# Altium PCB FMC_ADC_128CH_10B.PcbDoc (part 11 of 14)
Units mm, origin at the board's own origin, x right, y up, seen from the top; angles counter-clockwise.
Board outline 76.5 x 69 mm, 8 copper layers (Top Layer, Int1 (Sign), Int2 (GND), Int3 (Sign), Int4 (Sign), Int5 (GND), Int6 (Sign), Bottom Layer), stack 1.433 mm thick; 815 components, 661 nets, 3772 pads, 2072 vias.
Unrouted connection lines stored in the file: 135.
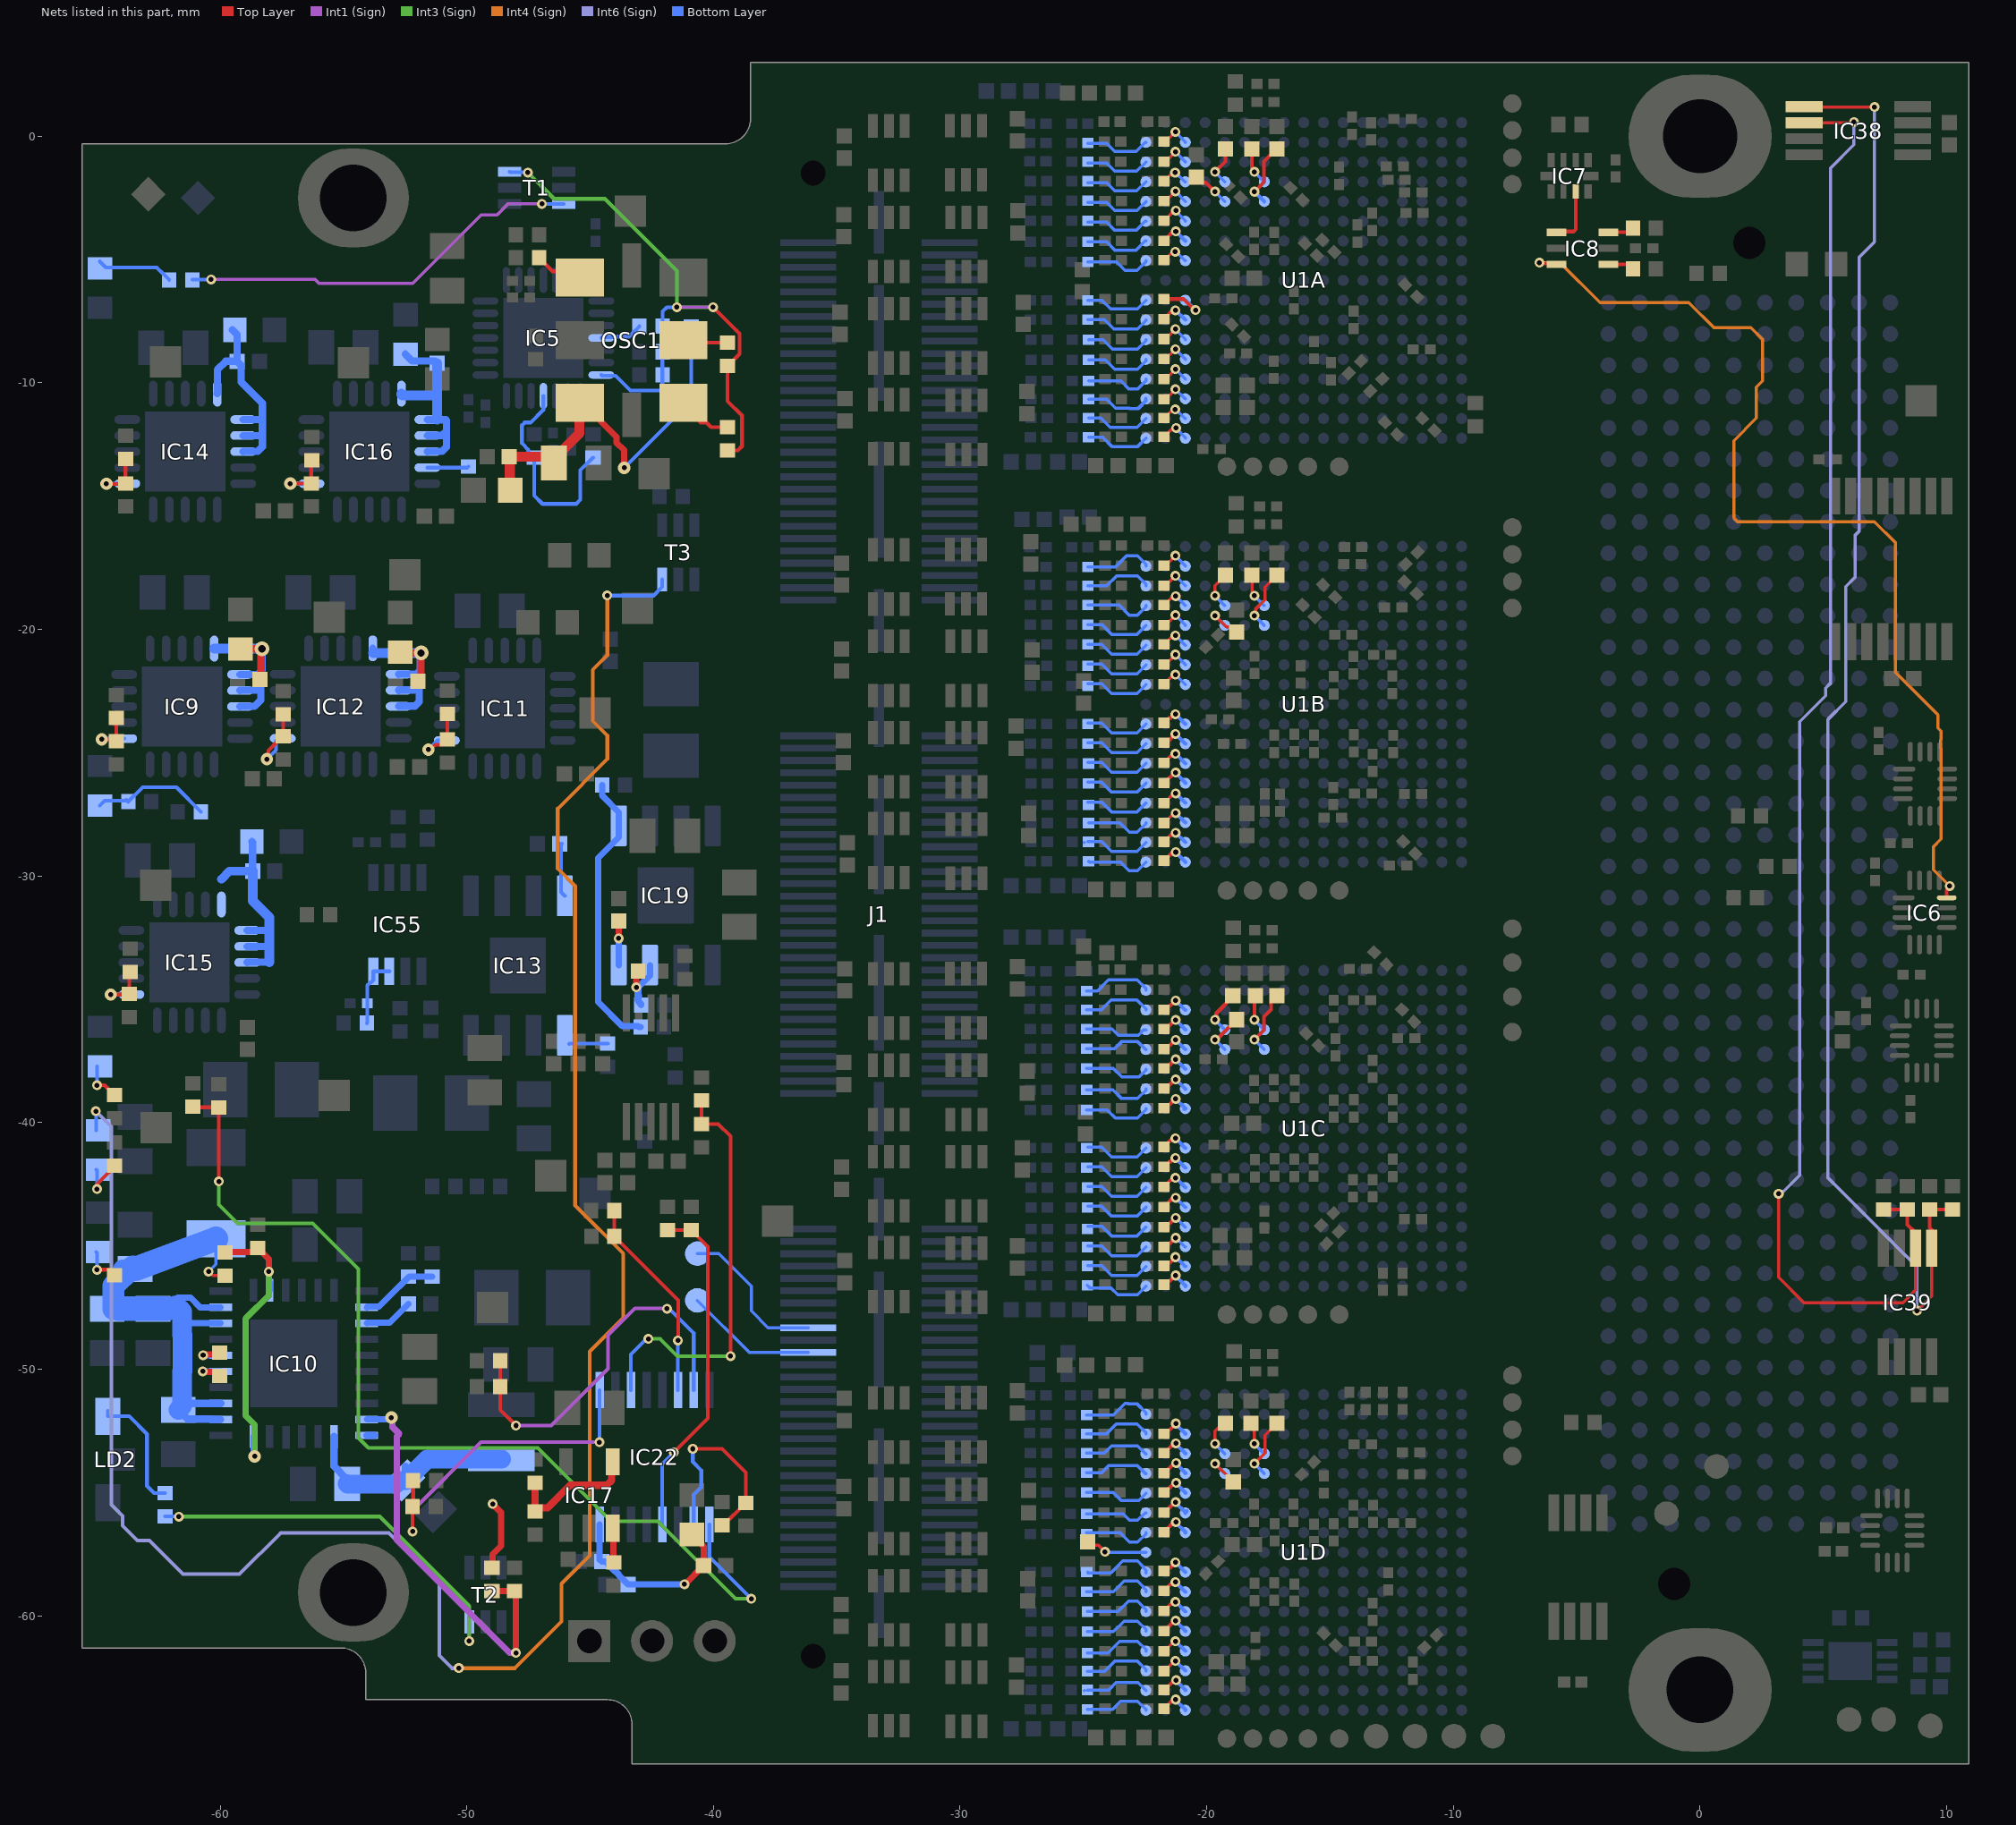
[diagram p17: the nets of this part, all layers, seen from the top]

## Via types
v1: diameter 0.4, hole 0.2, Top Layer to Bottom Layer, tented both sides, 1806 vias
v2: diameter 0.5, hole 0.2, Top Layer to Bottom Layer, tented both sides, 181 vias
v3: diameter 0.6, hole 0.3, Top Layer to Bottom Layer, tented both sides, 81 vias
v4: diameter 0.5, hole 0.3, Top Layer to Bottom Layer, tented both sides, 3 vias
v5: diameter 0.6, hole 0.2, Top Layer to Bottom Layer, tented both sides, 1 vias

## Nets (pads, with @x,y where several pads share a name; then routed paths per layer and width w, separated by ;. In a path a pad name is that pad's centre, name@x,y a point inside that pad or via, vN(x,y) a via of type N, cw(c..) or ccw(c..) an arc to the next point about the centre after c; other vN are vias at no path point) (continued)
NetC14D_2: C14D.2 U1D.A9 | length 2.5
  Top Layer w0.127: C14D.2@-24.833,-56.994 -24.701,-57.127 -24.399,-57.127 v1(-24.123,-57.403)
  Bottom Layer w0.127: v1@-24.066,-57.425 U1D.A9@-22.467,-57.425
NetC15A_2: C15A.2 U1A.G4 | length 1.5
  Top Layer w0.152: C15A.2@-18.167,-0.509 -18.167,-1.278 -18.067,-1.378 v1(-18.067,-1.445)
  Bottom Layer w0.127: v1(-18.067,-1.445) U1A.G4@-17.667,-1.845
NetC15B_2: C15B.2 U1B.G4 | length 1.4
  Top Layer w0.127: C15B.2@-18.167,-17.797 -18.167,-18.46 -18.067,-18.56 v1(-18.067,-18.634)
  Bottom Layer w0.127: v1(-18.067,-18.634) U1B.G4@-17.667,-19.034
NetC15C_2: C15C.2 U1C.G4 | length 1.6
  Top Layer w0.127: C15C.2@-18.067,-34.895 C15C.2@-18.019,-34.847
  Top Layer w0.152: v1(-18.067,-35.83) C15C.2@-18.067,-34.895
  Bottom Layer w0.127: v1(-18.067,-35.83) U1C.G4@-17.667,-36.23
NetC15D_2: C15D.2 U1D.G4 | length 1.5
  Top Layer w0.127: C15D.2@-18.203,-52.189 -18.067,-52.324 v1(-18.067,-53.025)
  Bottom Layer w0.127: v1(-18.067,-53.025) U1D.G4@-17.667,-53.425
NetC19_2: C19.2 C20.2 L4.2 OSC1.6 R15.2 | length 15.4
  Top Layer w0.254: OSC1.6@-45.414,-10.906 -45.214,-10.906 -44.566,-11.554 -43.926,-12.194 -43.926,-12.424 -43.627,-12.723 -43.627,-12.893 -43.62,-12.9 v2(-43.62,-13.444)
  Top Layer w0.4: L4.2@-48.234,-14.354 -48.255,-14.333 -48.255,-13.019 C19.2@-48.276,-12.998 -46.712,-12.998 C20.2@-46.461,-13.249 -46.461,-13.074 -45.853,-12.466 -45.434,-12.047 -45.434,-10.927 OSC1.6@-45.414,-10.906
  Bottom Layer w0.152: v2(-43.62,-13.444) -40.9,-10.724 R15.2@-40.9,-8.648
NetC33A_2: C33A.2 U1A.G5 | length 2.6
  Top Layer w0.152: v1(-18.066,-2.247) -17.833,-2.014 -17.681,-1.862 -17.681,-1.027 -17.246,-0.592 C33A.2@-17.163,-0.592
  Bottom Layer w0.152: v1(-18.066,-2.247) U1A.G5@-17.667,-2.645
NetC33B_2: C33B.2 U1B.G5 | length 2.6
  Top Layer w0.127: v1(-18.067,-19.434) -18.025,-19.392 -18.025,-19.178 -17.641,-18.794 -17.641,-18.275 C33B.2@-17.163,-17.797
  Bottom Layer w0.127: v1(-18.067,-19.434) U1B.G5@-17.667,-19.834
NetC33C_2: C33C.2 U1C.G5 | length 2.7
  Top Layer w0.152: v1(-18.067,-36.63) -17.681,-36.243 -17.681,-35.697 -17.397,-35.413 -17.397,-35.081 C33C.2@-17.163,-34.847
  Bottom Layer w0.127: v1(-18.067,-36.63) U1C.G5@-17.667,-37.03
NetC33D_2: C33D.2 U1D.G5 | length 2.6
  Top Layer w0.127: v1(-18.067,-53.825) -17.641,-53.399 -17.641,-52.667 C33D.2@-17.163,-52.189
  Bottom Layer w0.127: v1(-18.067,-53.825) U1D.G5@-17.667,-54.225
NetC34A_2: C34A.2 U1A.E4 | length 1.7
  Top Layer w0.152: v1(-19.667,-1.445) -19.242,-1.02 C34A.2@-19.242,-0.509
  Bottom Layer w0.127: v1(-19.667,-1.445) U1A.E4@-19.267,-1.845
NetC34B_2: C34B.2 U1B.E4 | length 1.6
  Top Layer w0.127: v1(-19.667,-18.634) -19.667,-18.222 C34B.2@-19.242,-17.797
  Bottom Layer w0.127: v1(-19.667,-18.634) U1B.E4@-19.267,-19.034
NetC34C_2: C34C.2 U1C.E4 | length 1.8
  Top Layer w0.152: v1(-19.667,-35.83) -19.615,-35.777 -19.615,-35.566 C34C.2@-18.942,-34.893
  Bottom Layer w0.127: v1(-19.667,-35.83) U1C.E4@-19.267,-36.23
NetC34D_2: C34D.2 U1D.E4 | length 1.7
  Top Layer w0.127: v1(-19.667,-53.025) -19.667,-52.514 C34D.2@-19.242,-52.089
  Bottom Layer w0.127: v1(-19.667,-53.025) U1D.E4@-19.267,-53.425
NetC35A_2: C35A.2 U1A.E5 | length 1.6
  Top Layer w0.152: C35A.2@-20.423,-1.651 -20.189,-1.885 -20.039,-1.885 -19.98,-1.944 -19.968,-1.944 v1(-19.667,-2.245)
  Bottom Layer w0.127: v1(-19.667,-2.245) U1A.E5@-19.267,-2.645
NetC35B_2: C35B.2 U1B.E5 | length 1.7
  Top Layer w0.127: v1(-19.667,-19.434) -19.204,-19.897 -18.998,-19.897 C35B.2@-18.783,-20.111
  Bottom Layer w0.127: v1(-19.667,-19.434) U1B.E5@-19.267,-19.834
NetC35C_2: C35C.2 U1C.E5 | length 1.8
  Top Layer w0.127: v1(-19.667,-36.63) -19.615,-36.577 v1@-19.54,-36.577
  Top Layer w0.152: v1@-19.54,-36.577 C35C.2@-18.783,-35.821
  Bottom Layer w0.127: v1(-19.667,-36.63) U1C.E5@-19.267,-37.03
NetC35D_2: C35D.2 U1D.E5 | length 1.6
  Top Layer w0.127: v1(-19.667,-53.825) -19.666,-53.825 C35D.2@-18.926,-54.565
  Bottom Layer w0.127: v1(-19.667,-53.825) U1D.E5@-19.267,-54.225
NetC75_1: C75.1 IC9.5 IC9.6 IC9.7 IC9.8 L1.2 | length 9
  Top Layer w0.3: L1.2@-59.179,-20.788 v3(-58.299,-20.788) -58.343,-20.832 -58.343,-21.986 C75.1@-58.387,-22.029
  Bottom Layer w0.3: IC9.5@-60.241,-20.775 IC9.5@-60.234,-20.781 ; IC9.8@-59.191,-23.125 -59.181,-23.115 -58.599,-23.115 -58.35,-22.866 -58.35,-22.283 ; IC9.7@-59.191,-22.475 -59.181,-22.465 -58.532,-22.465 -58.35,-22.283 ; IC9.6@-59.191,-21.825 -58.475,-21.825 -58.35,-21.7 ; v3@-58.306,-20.781 v3(-58.299,-20.788) -58.299,-21.649 -58.35,-21.7 ; -58.35,-22.283 -58.35,-21.7
  Bottom Layer w0.4: IC9.5@-60.234,-20.781 v3@-58.306,-20.781
NetC81_2: C81.2 C85.2 C87.2 C90.2 IC10.8 IC10.9 IC10.14 IC10.15 L3.1 R104.2 | length 22.1
  Top Layer w0.127: v1(-60.464,-46.038) -60.299,-46.203 R104.2@-59.808,-46.203
  Bottom Layer w0.127: v1(-60.464,-46.038) -60.167,-45.742 L3.1@-60.167,-44.708
  Bottom Layer w0.254: C81.2@-62.169,-47.538 -62.169,-47.424 -61.896,-47.151 -61.782,-47.151 -61.732,-47.1 -61.194,-47.1 -60.81,-47.485 IC10.15@-59.977,-47.485 ; -61.397,-48.135 IC10.14@-59.977,-48.135
  Bottom Layer w0.3: C90.2@-61.695,-51.643 -61.32,-52.018 -60.976,-52.018 -60.969,-52.024 -60.388,-52.024 -60.377,-52.035 IC10.8@-59.988,-52.035 ; C90.2@-61.188,-51.385 IC10.9@-59.977,-51.385
  Bottom Layer w0.5: C81.2@-62.169,-47.538 -61.994,-47.538 ; C90.2@-61.695,-51.643 C90.2@-61.397,-51.345
  Bottom Layer w0.762: C87.2@-63.947,-45.931 -63.628,-45.931 C87.2@-63.447,-45.931 ; C81.2@-62.175,-47.543 C81.2@-62.169,-47.538
  Bottom Layer w0.8: C90.2@-61.695,-51.643 -61.543,-51.491 -61.543,-50.09 -61.529,-50.077 -61.529,-48.621 -61.543,-48.607 -61.543,-47.658 -61.668,-47.534
  Bottom Layer w0.9: C85.2@-64.325,-47.549 -64.325,-46.628 -63.628,-45.931 C87.2@-63.536,-45.839
  Bottom Layer w1: C85.2@-64.12,-47.543 C81.2@-62.175,-47.543 ; C87.2@-63.447,-45.931 L3.1@-60.167,-44.708
NetC82_1: C82.1 IC12.5 IC12.6 IC12.7 IC12.8 L2.2 | length 9
  Top Layer w0.3: L2.2@-52.702,-20.915 -52.661,-20.956 v3(-51.853,-20.956) -51.853,-21.867 C82.1@-52.086,-22.1
  Bottom Layer w0.3: IC12.5@-53.811,-20.766 -53.811,-20.932 IC12.5@-53.788,-20.956 ; IC12.8@-52.761,-23.116 -52.751,-23.107 -52.102,-23.107 -51.926,-22.931 -51.926,-22.314 ; IC12.7@-52.761,-22.466 -52.751,-22.457 -52.135,-22.457 -51.959,-22.281 -51.926,-22.314 ; IC12.6@-52.761,-21.816 -52.751,-21.807 -52.039,-21.807 -51.926,-21.695 ; v3(-51.853,-20.956) -51.881,-20.983 -51.881,-21.649 -51.926,-21.695 ; -51.926,-22.314 -51.926,-21.695
  Bottom Layer w0.4: IC12.5@-53.788,-20.956 v3(-51.853,-20.956)
NetC89_1: C89.1 IC14.5 IC14.6 IC14.7 IC14.8 L10.2 | length 9.6
  Bottom Layer w0.3: IC14.5@-60.114,-10.437 -60.11,-10.433 -60.11,-9.462 -59.772,-9.125 C89.1@-59.308,-9.125 ; L10.2@-59.499,-7.854 -59.308,-8.045 C89.1@-59.308,-9.125 ; IC14.8@-59.064,-12.787 -59.054,-12.777 -58.47,-12.777 -58.288,-12.595 -58.288,-12.137 ; IC14.7@-59.064,-12.137 -58.288,-12.137 ; IC14.6@-59.064,-11.487 -58.288,-11.487 ; C89.1@-59.308,-9.125 -59.148,-9.285 -59.148,-9.962 -58.288,-10.822 -58.288,-11.487 ; -58.288,-12.137 -58.288,-11.487
NetC91_2: C91.2 C94.2 IC10.1 IC10.32 L6.1 R107.2 | length 12.7
  Top Layer w0.254: R107.2@-48.981,-58.05 -48.981,-57.825 -48.952,-57.797 -48.952,-57.507 -48.608,-57.164 -48.608,-55.809 v1(-48.952,-55.465)
  Bottom Layer w0.254: L6.1@-48.597,-53.636 L6.1@-48.512,-53.55
  Bottom Layer w0.3: IC10.1@-55.381,-52.723 -55.381,-53.933 -54.843,-54.471 C94.2@-54.843,-54.646 ; IC10.32@-54.052,-52.685 IC10.32@-53.739,-52.685 ; C91.2@-52.528,-54.511 -52.486,-54.469 C91.2@-52.486,-53.939
  Bottom Layer w0.762: C94.2@-54.844,-54.647 C94.2@-54.843,-54.646 ; C94.2@-54.837,-54.653 -52.874,-54.653 -52.732,-54.511 C91.2@-52.528,-54.511 -52.472,-54.511 -51.597,-53.636 L6.1@-48.597,-53.636
NetC100_2: C100.2 IC10.25 | length 2
  Bottom Layer w0.254: IC10.25@-54.052,-48.135 -54.029,-48.112 -53.12,-48.112 -52.544,-47.537 C100.2@-52.361,-47.354
NetC102_1: C102.1 IC13.4 | length 2.3
  Bottom Layer w0.152: C102.1@-46.239,-28.693 -46.176,-28.756 -46.176,-30.651 IC13.4@-46.024,-30.803 ; C102.1@-46.237,-28.791 C102.1@-46.139,-28.693
NetC104_1: C104.1 IC15.5 IC15.6 IC15.7 IC15.8 L11.2 | length 9.3
  Bottom Layer w0.3: IC15.8@-58.898,-33.503 -58.889,-33.493 -58,-33.493 ; IC15.7@-58.898,-32.853 -58.038,-32.853 -58,-32.891 ; IC15.6@-58.898,-32.203 -58.084,-32.203 -58,-32.287 ; L11.2@-58.709,-28.601 -58.683,-28.628 C104.1@-58.683,-29.799
  Bottom Layer w0.35: -59.948,-30.127 -59.62,-29.799 C104.1@-58.683,-29.799
  Bottom Layer w0.4: C104.1@-58.683,-29.799 -58.683,-31.001 -58,-31.684 -58,-32.287 -58,-32.891 -58,-33.493
NetC105_1: C105.1 IC16.5 IC16.6 IC16.7 IC16.8 L12.2 | length 8.8
  Bottom Layer w0.3: L12.2@-52.487,-8.835 -52.213,-9.108 -51.293,-9.108 C105.1@-51.2,-9.201 ; IC16.8@-51.596,-12.787 -51.587,-12.777 -50.999,-12.777 -50.823,-12.602 -50.823,-11.952 ; IC16.7@-51.596,-12.137 -51.587,-12.127 -50.999,-12.127 -50.823,-11.952 ; IC16.6@-51.596,-11.487 -51.587,-11.497 -51.2,-11.497 -50.848,-11.497 -50.823,-11.522 -50.823,-11.952
  Bottom Layer w0.4: IC16.5@-52.646,-10.437 -52.646,-10.477 -52.621,-10.502 -51.2,-10.502 ; IC16.6@-51.2,-11.497 -51.2,-10.502 ; C105.1@-51.2,-9.201 -51.2,-10.225 -51.2,-10.502
NetC120_1: C120.1 IC19.4 | length 1.8
  Top Layer w0.254: v1(-43.841,-32.522) -43.841,-31.828 C120.1@-43.832,-31.819
  Bottom Layer w0.254: IC19.4@-43.841,-33.609 v1(-43.841,-32.522)
NetC125_2: C125.2 C126.1 C127.2 IC22.16 L9.2 | length 7.9
  Top Layer w0.254: v1(-41.173,-58.714) -41.155,-58.714 C127.2@-40.401,-57.96 -40.401,-57.173 L9.2@-40.874,-56.7
  Bottom Layer w0.254: IC22.16@-44.612,-56.293 -44.612,-57.72 C125.2@-44.53,-57.802 -44.384,-57.802 -43.983,-58.203 -43.957,-58.203 -43.829,-58.33 -43.829,-58.357 C126.1@-43.456,-58.73 -41.173,-58.73 v1(-41.173,-58.714)
NetC295_1: C295.1 IC55.7 IC55.8 R160.1 | length 2.9
  Bottom Layer w0.152: R160.1@-54.049,-35.963 -54.031,-35.946 -54.031,-34.427 -53.942,-34.337 -53.911,-34.337 -53.787,-34.213 IC55.8@-53.787,-33.863 IC55.7@-53.137,-33.863
NetIC5_4: IC5.4 R19.2 | length 1.8
  Bottom Layer w0.152: IC5.4@-44.544,-8.178 -44.515,-8.15 -44.036,-8.15 -44.012,-8.126 -43.431,-8.126 -43.233,-7.927 -43.213,-7.927 -42.999,-7.714 R19.2@-42.999,-7.694
NetIC5_7: IC5.7 R3.1 R11.1 | length 4.3
  Bottom Layer w0.152: IC5.7@-44.544,-9.679 -44.515,-9.707 -43.971,-9.707 -43.369,-10.308 -42.158,-10.308 -42.069,-10.219 R3.1@-42.069,-8.739
NetIC5_11: IC5.11 R14.1 R16.1 | length 8.8
  Bottom Layer w0.152: IC5.11@-46.894,-10.529 -46.894,-11.095 -47.408,-11.609 -47.653,-11.609 -47.762,-11.718 -47.762,-12.452 -47.5,-12.715 -47.5,-12.811 -47.286,-13.025 R16.1@-47.266,-13.025 -47.266,-14.572 -46.932,-14.906 -45.565,-14.906 -45.394,-14.735 -45.394,-13.539 R14.1@-44.88,-13.025
NetIC6_12: IC6.12 IC8.3 | length 41.4
  Top Layer w0.127: v1(-6.512,-5.125) -6.478,-5.159 -5.851,-5.159 IC8.3@-5.817,-5.193
  Top Layer w0.152: IC6.12@10,-30.879 10,-30.588 10.119,-30.469 v1(10.119,-30.402)
  Int4 (Sign) w0.127: v1(-6.512,-5.125) -5.673,-5.125 -4.052,-6.745 -0.458,-6.745 0.564,-7.767 2.059,-7.767 2.531,-8.24 2.531,-9.925 2.287,-10.169 2.287,-11.429 1.371,-12.344 1.371,-15.477 1.522,-15.628 7.074,-15.628 7.929,-16.482 7.929,-21.749 9.64,-23.46 9.64,-23.989 9.776,-24.125 9.776,-24.465 9.746,-24.496 9.746,-24.805 9.776,-24.836 9.776,-28.49 9.458,-28.809 9.458,-29.741 v1(10.119,-30.402)
NetIC7_8: IC7.8 IC8.1 | length 2.4
  Top Layer w0.152: IC8.1@-5.817,-3.893 -5.787,-3.863 -5.128,-3.863 -5.038,-3.773 IC7.8@-5.038,-2.243
NetIC8_4: IC8.4 R20.1 | length 1.1
  Top Layer w0.152: IC8.4@-3.717,-5.193 -2.916,-5.193 R20.1@-2.726,-5.382
NetIC8_6: IC8.6 R159.2 | length 1.1
  Top Layer w0.152: IC8.6@-3.717,-3.893 -2.887,-3.893 R159.2@-2.726,-3.732
NetIC9_16: IC9.16 R88.1 R89.2 | length 2.5
  Top Layer w0.152: v2@-64.77,-24.425 v2(-64.802,-24.456) -64.286,-24.456 R89.2@-64.208,-24.534 R88.1@-64.208,-23.595
  Bottom Layer w0.152: v2@-64.77,-24.425 IC9.16@-63.891,-24.425
NetIC10_6: IC10.6 IC10.18 R104.1 R106.2 | length 12.2
  Top Layer w0.254: R104.1@-59.808,-45.263 -59.784,-45.239 -58.625,-45.239 R106.2@-58.474,-45.087 -58.028,-45.532 v1(-58.028,-46.039)
  Int3 (Sign) w0.254: v2(-58.6,-53.531) -58.6,-52.25 -58.965,-51.886 -58.965,-47.94 -58.028,-47.003 v1(-58.028,-46.039)
  Bottom Layer w0.254: IC10.6@-58.647,-52.723 -58.647,-53.483 v2(-58.6,-53.531) ; v1(-58.028,-46.039) -58.028,-46.446 -57.989,-46.485 IC10.18@-57.989,-46.798
NetIC10_11: IC10.11 R116.1 | length 1.5
  Top Layer w0.254: v1(-60.703,-50.079) -60.675,-50.107 -60.188,-50.107 R116.1@-60.025,-50.27
  Bottom Layer w0.152: v1(-60.703,-50.079) v1@-60.7,-50.082 ; IC10.11@-59.98,-50.082 IC10.11@-59.977,-50.085
  Bottom Layer w0.254: v1@-60.7,-50.082 IC10.11@-59.98,-50.082
NetIC10_12: IC10.12 R116.2 | length 1.4
  Top Layer w0.254: v1(-60.689,-49.429) -60.661,-49.402 -60.097,-49.402 R116.2@-60.025,-49.33
  Bottom Layer w0.152: v1(-60.689,-49.429) v1@-60.687,-49.432 ; IC10.12@-59.98,-49.432 IC10.12@-59.977,-49.435
  Bottom Layer w0.254: v1@-60.687,-49.432 IC10.12@-59.98,-49.432
NetIC10_24: IC10.24 R109.1 R110.2 | length 3.2
  Bottom Layer w0.254: IC10.24@-54.052,-47.485 -54.029,-47.462 -53.559,-47.462 -53.198,-47.1 -52.335,-46.238 R110.2@-51.396,-46.238
NetIC10_31: IC10.31 R107.1 R108.2 | length 16.3
  Top Layer w0.254: R107.1@-48.981,-58.99 R108.2@-48.066,-58.99 -48.002,-59.054 v1(-48.002,-61.501)
  Int1 (Sign) w0.254: v2(-53.055,-51.957) -53.008,-52.004 -53.008,-52.346 -52.737,-52.617 -52.833,-52.713 -52.833,-56.927 -48.259,-61.501 v1(-48.002,-61.501)
  Bottom Layer w0.254: IC10.31@-54.052,-52.035 -53.199,-52.035 -53.121,-51.957 v2(-53.055,-51.957)
NetIC11_16: IC11.16 R91.1 R92.2 | length 2.9
  Top Layer w0.152: v2(-51.558,-24.87) -51.464,-24.87 -51.271,-24.677 -51.001,-24.677 R92.2@-50.788,-24.463 R91.1@-50.788,-23.422
  Bottom Layer w0.152: v2(-51.558,-24.87) -51.544,-24.87 -51.174,-24.501 IC11.16@-50.81,-24.501
NetIC12_16: IC12.16 R93.1 R94.2 | length 3.5
  Top Layer w0.152: v2(-58.108,-25.26) -58.041,-25.193 -58.041,-24.911 -57.652,-24.521 -57.652,-24.341 R94.2@-57.438,-24.127 ; R94.2@-57.438,-24.327 R94.2@-57.438,-24.127 ; R93.1@-57.438,-23.438 R94.2@-57.438,-24.127
  Bottom Layer w0.152: v2(-58.108,-25.26) -57.735,-24.886 -57.735,-24.508 -57.643,-24.416 IC12.16@-57.461,-24.416
NetIC13_5: IC13.5 R95.2 | length 1.6
  Bottom Layer w0.152: IC13.5@-45.856,-36.812 -45.831,-36.787 R95.2@-44.285,-36.787
NetIC14_16: IC14.16 R97.1 R99.2 | length 2.6
  Top Layer w0.152: v2(-64.609,-14.095) -63.855,-14.095 R99.2@-63.833,-14.073 R97.1@-63.833,-13.083
  Bottom Layer w0.152: v2(-64.609,-14.095) -64.605,-14.091 -63.768,-14.091 IC14.16@-63.764,-14.087
NetIC15_16: IC15.16 R96.1 R98.2 | length 2.5
  Top Layer w0.152: v2(-64.438,-34.803) -63.707,-34.803 R98.2@-63.678,-34.774 -63.678,-33.911 R96.1@-63.653,-33.885
  Bottom Layer w0.152: v2(-64.438,-34.803) IC15.16@-63.598,-34.803
NetIC16_9: IC16.9 R101.1 | length 1.7
  Bottom Layer w0.152: IC16.9@-51.596,-13.437 -49.983,-13.437 R101.1@-49.937,-13.392
NetIC16_16: IC16.16 R102.1 R103.2 | length 2.7
  Top Layer w0.152: v2(-57.156,-14.084) -56.317,-14.084 R103.2@-56.307,-14.073 -56.307,-13.159 R102.1@-56.281,-13.133
  Bottom Layer w0.152: v2(-57.156,-14.084) -57.155,-14.086 -56.298,-14.086 IC16.16@-56.296,-14.087
NetIC17_3: IC17.3 R117.2 | length 1.4
  Top Layer w0.254: IC17.3@-44.081,-56.449 -44.056,-56.474 -44.056,-57.804 R117.2@-44.031,-57.829
NetIC17_4: IC17.4 R118.1 R119.2 | length 5.6
  Top Layer w0.3: R118.1@-47.229,-54.6 R119.2@-47.229,-55.76 -47.089,-55.62 -46.725,-55.62 -45.809,-54.704 -44.328,-54.704 -44.131,-54.506 -44.131,-53.799 IC17.4@-44.081,-53.749
NetIC19_3: IC19.3 R146.1 R148.2 | length 3.3
  Top Layer w0.254: v1(-43.128,-34.51) -43.128,-33.927 R148.2@-43.052,-33.851
  Bottom Layer w0.254: v1(-43.128,-34.51) -43.072,-34.565 -43.072,-35.035 -42.925,-35.181 R146.1@-42.925,-35.226 -43.04,-35.111 v1@-43.04,-34.51 ; v1@-43.04,-34.497 -42.571,-34.028 IC19.3@-42.571,-33.609
NetIC19_5: IC19.5 R142.2 R144.1 | length 11.6
  Bottom Layer w0.254: R144.1@-44.518,-26.312 -44.518,-26.731 -43.841,-27.408 IC19.5@-43.841,-27.959 -43.841,-28.433 -44.676,-29.268 -44.676,-35.106 -43.701,-36.082 -43.059,-36.082 -43.026,-36.115 R142.2@-42.943,-36.115
NetIC22_1: IC22.1 R130.1 R139.2 | length 13.8
  Top Layer w0.15: v1(-52.196,-56.579) R139.2@-52.196,-55.558 -52.175,-55.537 R130.1@-52.175,-54.511
  Int1 (Sign) w0.15: v1(-52.196,-56.579) -52.196,-55.737 -49.418,-52.959 v1(-44.619,-52.959)
  Bottom Layer w0.15: v1(-44.619,-52.959) -44.619,-51.882 -44.612,-51.875 IC22.1@-44.612,-50.844
NetIC22_3: IC22.3 R129.1 R137.2 | length 17.3
  Top Layer w0.15: R129.1@-40.479,-39.103 R137.2@-40.479,-40.056 -39.807,-40.056 -39.309,-40.554 v1(-39.309,-49.469)
  Int3 (Sign) w0.15: v1(-42.636,-48.768) -42.163,-48.768 -41.463,-49.469 v1(-39.309,-49.469)
  Bottom Layer w0.15: IC22.3@-43.342,-50.844 -43.342,-49.405 -42.706,-48.768 v1(-42.636,-48.768)
NetIC22_6: IC22.6 R124.1 R131.2 | length 8.4
  Top Layer w0.15: R131.2@-44.02,-43.567 -44.02,-44.609 R124.1@-44.013,-44.617 -41.428,-47.201 v1@-41.428,-48.831
  Bottom Layer w0.15: IC22.6@-41.437,-50.844 v1(-41.437,-48.831)
NetIC22_7: IC22.7 R125.1 R133.2 | length 15.6
  Top Layer w0.15: R133.2@-48.644,-49.649 R125.1@-48.644,-50.708 -48.644,-51.64 v1(-48.002,-52.282)
  Int1 (Sign) w0.15: v1(-48.002,-52.282) -46.575,-52.282 -44.27,-49.977 -44.27,-48.619 -43.178,-47.528 -41.899,-47.528 v1(-41.883,-47.544)
  Bottom Layer w0.15: v1(-41.883,-47.544) -41.782,-47.544 -40.802,-48.523 IC22.7@-40.802,-50.844
NetIC22_9: IC22.9 R126.1 R134.2 | length 40.9
  Top Layer w0.15: R126.1@-61.102,-39.353 -61.077,-39.378 R134.2@-60.053,-39.378 v1(-60.053,-42.384)
  Int3 (Sign) w0.15: v1(-60.053,-42.384) -60.053,-43.321 -59.287,-44.086 -57.526,-44.086 -57.525,-44.085 -57.181,-44.085 -57.18,-44.086 -56.246,-44.086 -54.394,-45.939 -54.394,-52.781 -53.987,-53.188 -47.126,-53.188 -44.152,-56.163 -42.253,-56.163 -39.11,-59.305 v1(-38.462,-59.305)
  Bottom Layer w0.15: IC22.9@-40.167,-56.293 -40.167,-57.6 v1(-38.462,-59.305)
NetIC22_10: IC22.10 R127.1 R135.2 | length 8.5
  Top Layer w0.15: v1(-40.836,-53.226) -39.648,-53.226 -38.684,-54.19 R135.2@-38.684,-55.413 -39.602,-56.331 R127.1@-39.645,-56.331
  Bottom Layer w0.15: v1(-40.836,-53.226) -40.836,-53.756 -40.494,-54.098 -40.494,-54.79 -40.802,-55.099 IC22.10@-40.802,-56.293
NetIC22_12: IC22.12 R128.1 R136.2 | length 13.9
  Top Layer w0.15: R128.1@-41.855,-44.35 -40.904,-44.35 R136.2@-40.893,-44.361 -40.225,-45.029 -40.225,-51.995 v1(-41.607,-53.377)
  Bottom Layer w0.15: IC22.12@-42.072,-56.293 -42.072,-53.842 v1(-41.607,-53.377)
NetIC38_1: IC38.1 IC39.1 R111.1 R113.1 | length 58.5
  Top Layer w0.127: IC38.1@4.218,1.202 4.235,1.184 v1(7.07,1.184) ; v1(8.8,-47.622) 9.387,-47.035 IC39.1@9.387,-45.087
  Top Layer w0.152: IC39.1@9.387,-44.344 9.312,-44.269 R113.1@9.312,-43.52 R111.1@10.237,-43.52
  Int6 (Sign) w0.127: v1(7.07,1.184) 7.07,-4.285 6.443,-4.912 6.443,-16.022 6.28,-16.185 6.28,-17.886 5.903,-18.263 5.903,-22.93 5.173,-23.66 5.173,-42.225 8.8,-45.851 v1(8.8,-47.622)
NetIC38_2: IC38.2 IC39.2 R112.1 R114.1 | length 60.2
  Top Layer w0.127: v1(3.187,-42.882) 3.187,-46.276 4.211,-47.3 8.223,-47.3 8.737,-46.786 IC39.2@8.737,-45.087 ; IC38.2@4.218,0.552 6.215,0.552 v1(6.24,0.577)
  Top Layer w0.152: R112.1@7.437,-43.52 R114.1@8.402,-43.52 8.402,-44.136 IC39.2@8.737,-44.471
  Int6 (Sign) w0.127: v1(3.187,-42.882) 3.261,-42.882 3.357,-42.785 3.388,-42.785 4.044,-42.129 4.044,-23.741 5.092,-22.694 5.092,-22.381 5.283,-22.19 5.283,-1.304 6.24,-0.347 v1(6.24,0.577)
NetJ1_138: J1.138 TP16.1 | length 6.3
  Bottom Layer w0.127: TP16.1@-40.653,-45.313 -39.785,-45.313 -38.462,-46.636 -38.462,-47.637 -37.784,-48.315 J1.138@-36.158,-48.315